# Altium PCB Stratochovy2.PcbDoc (part 1 of 2)
Units mil, origin at the board's own origin, x right, y up, seen from the top; angles counter-clockwise.
Board outline 2610.12 x 7159.65 mil, 4 copper layers (Top Layer, Plane (GND), Plane (3V3), Bottom Layer), stack 53.956 mil thick; 166 components, 126 nets, 742 pads, 170 vias.
Unrouted connection lines stored in the file: 44.
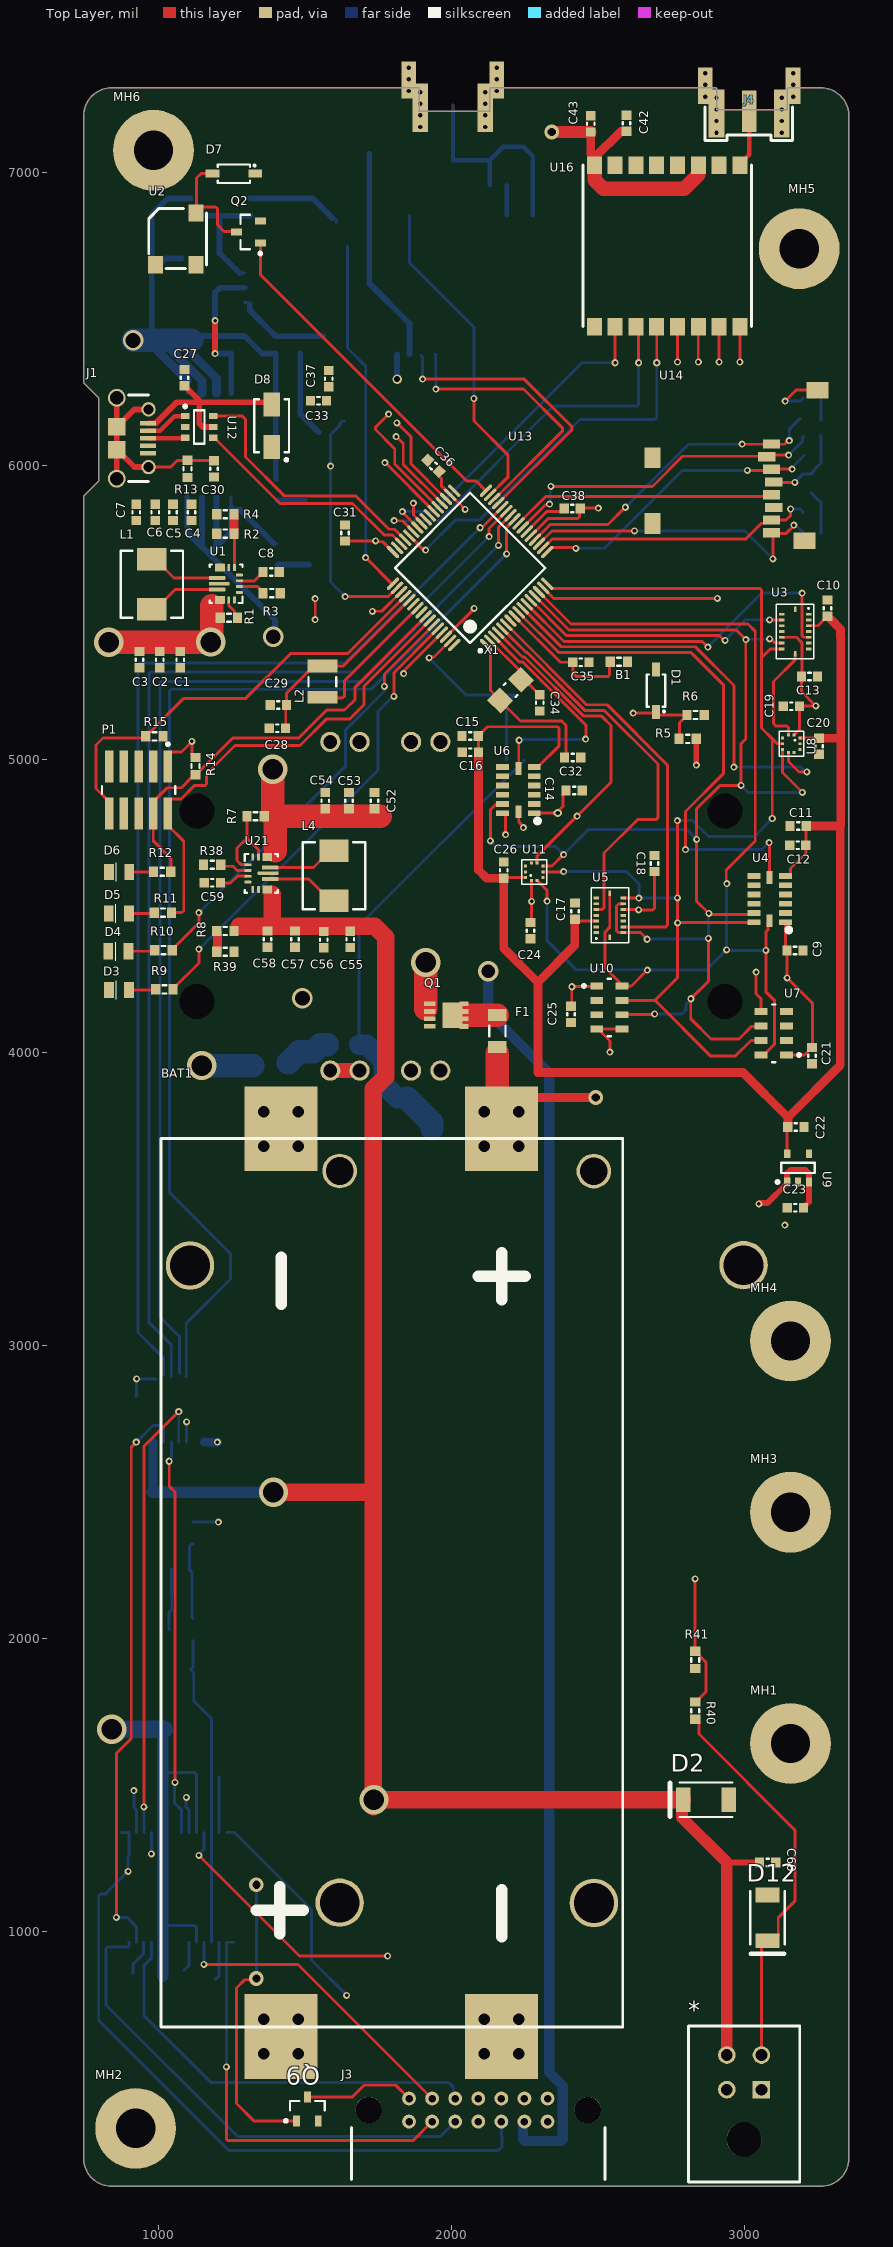
[diagram p0: Top Layer view]
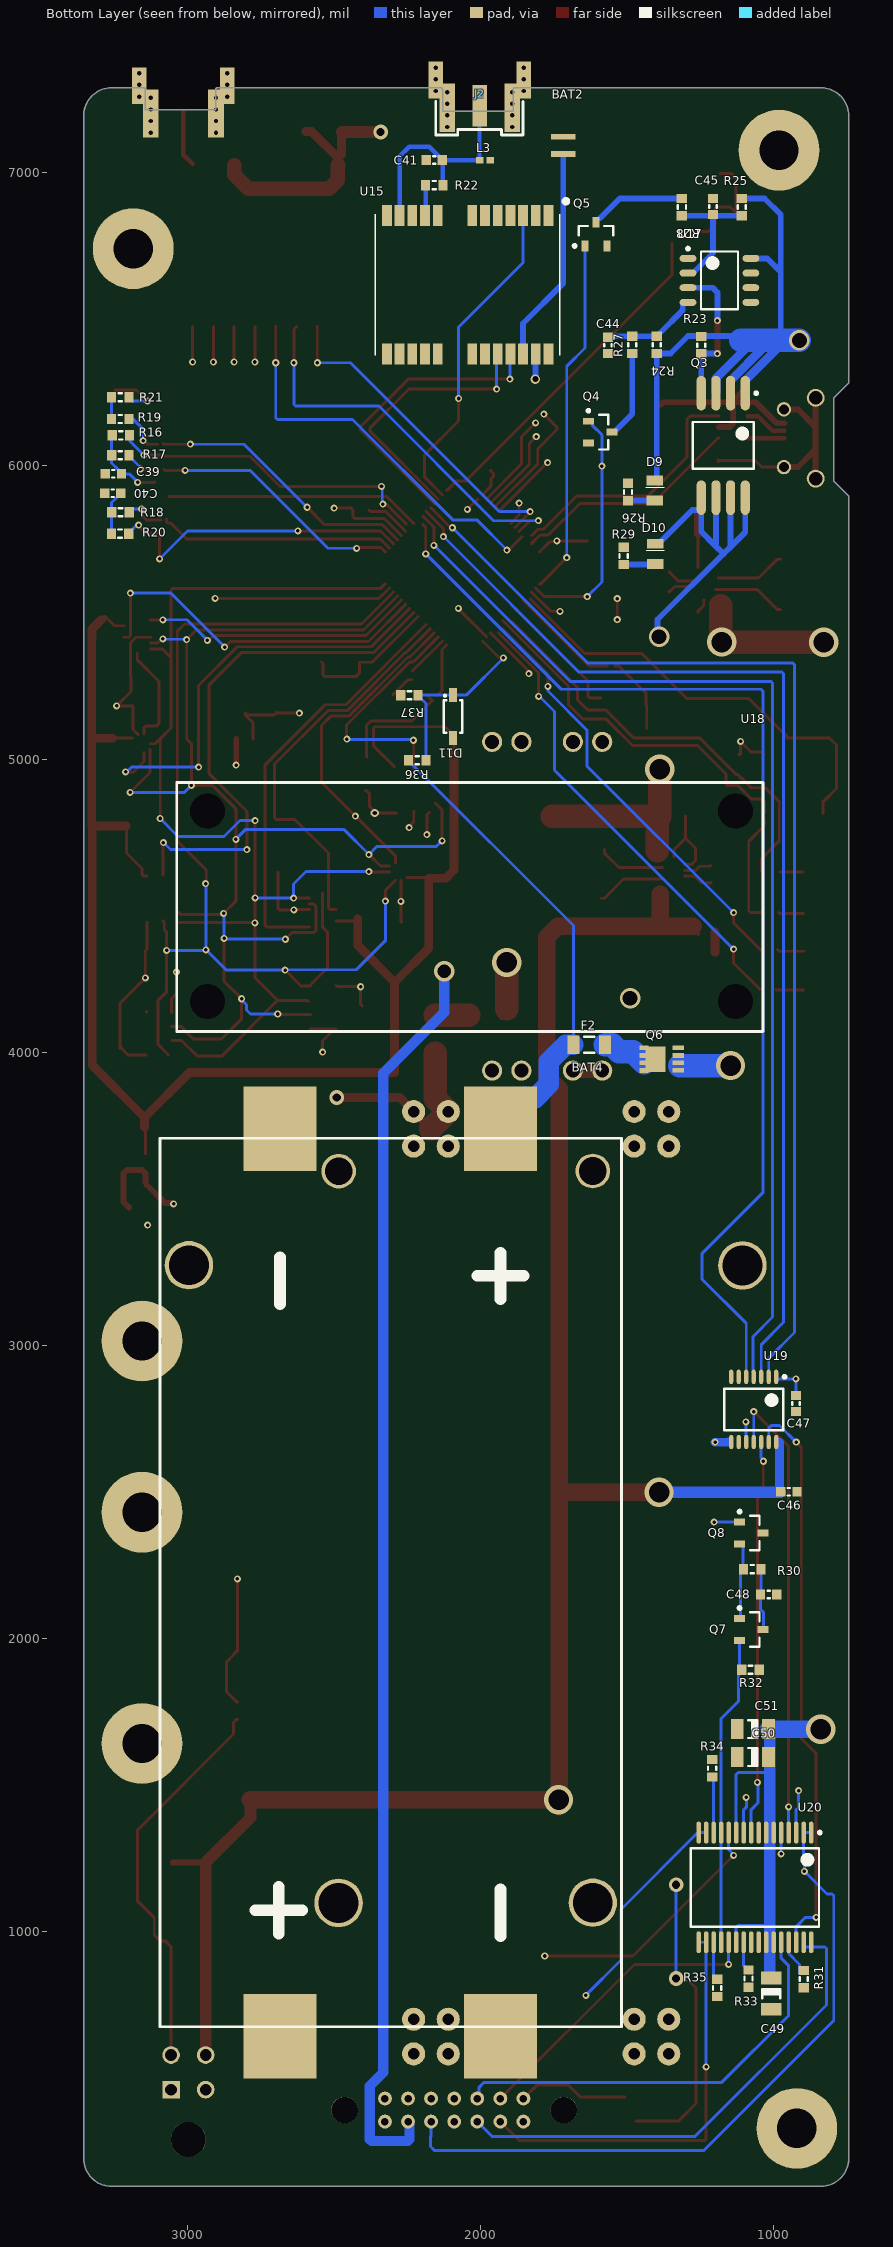
[diagram p1: Bottom Layer view, seen from below]
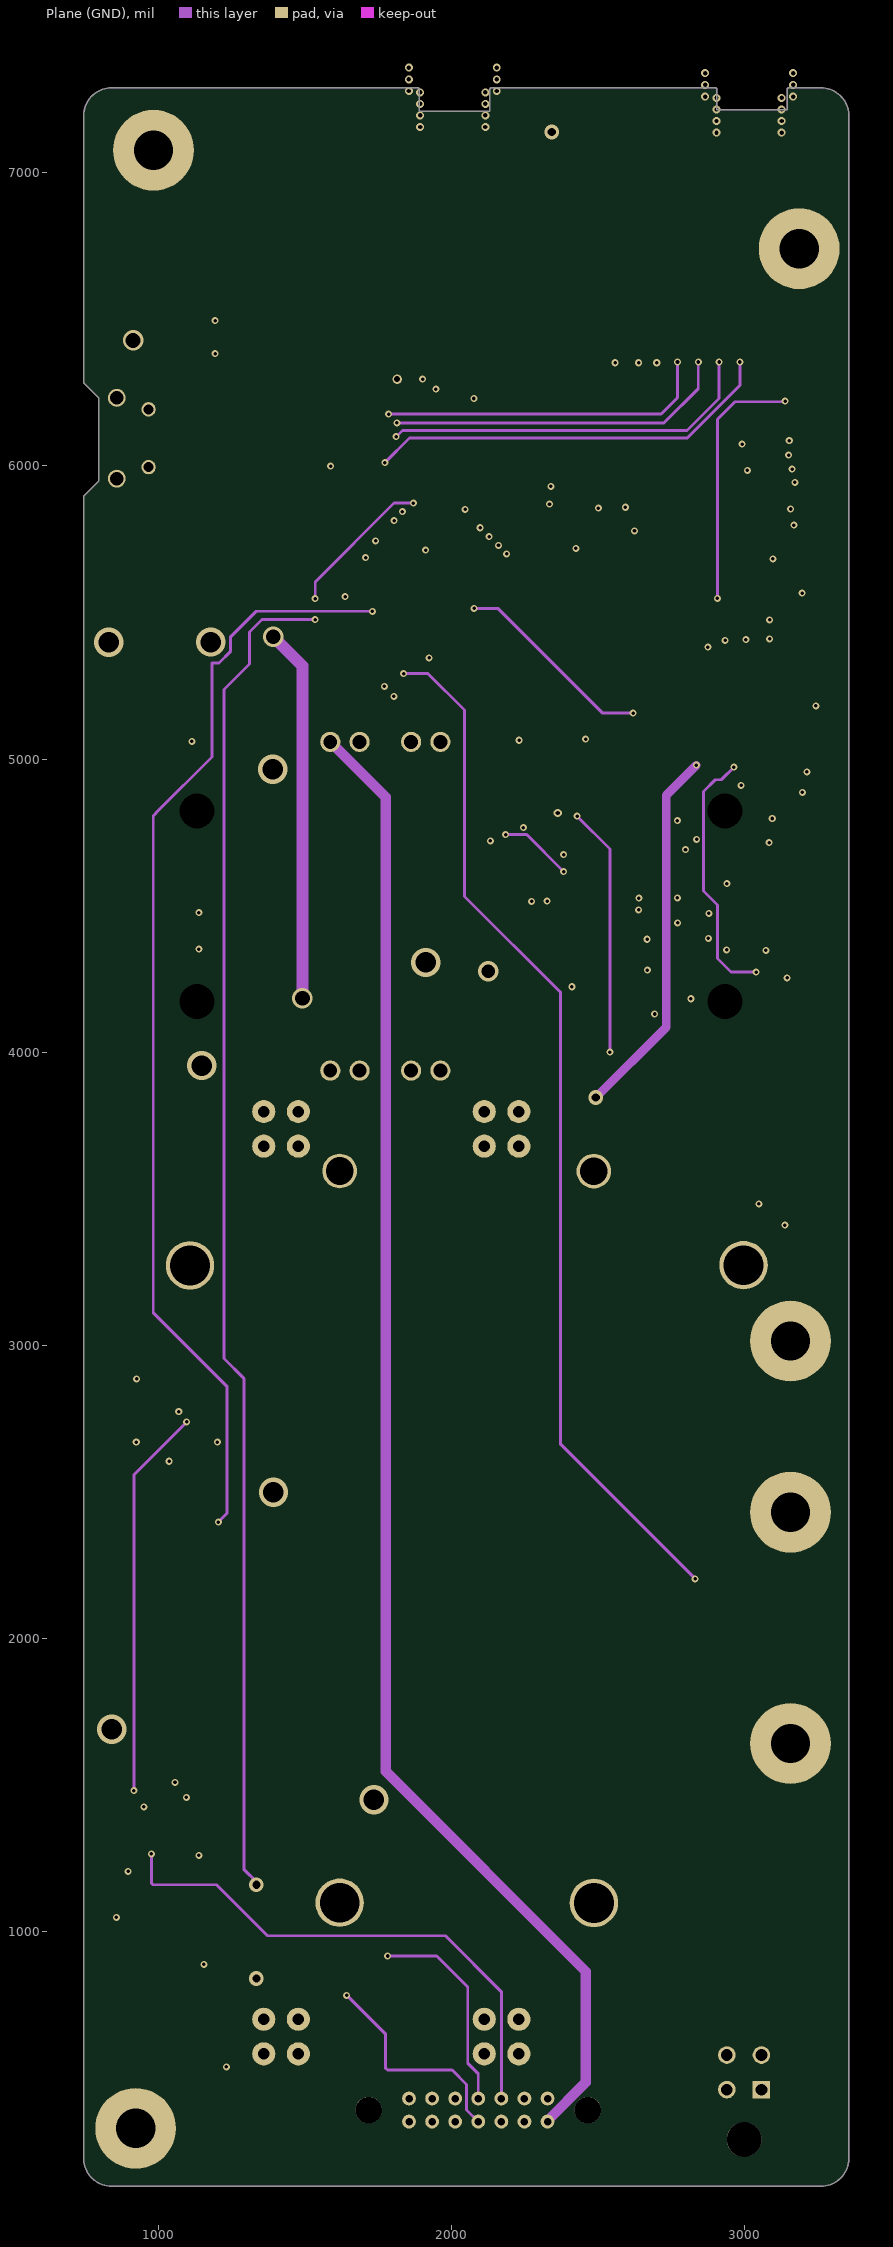
[diagram p2: Plane (GND)]
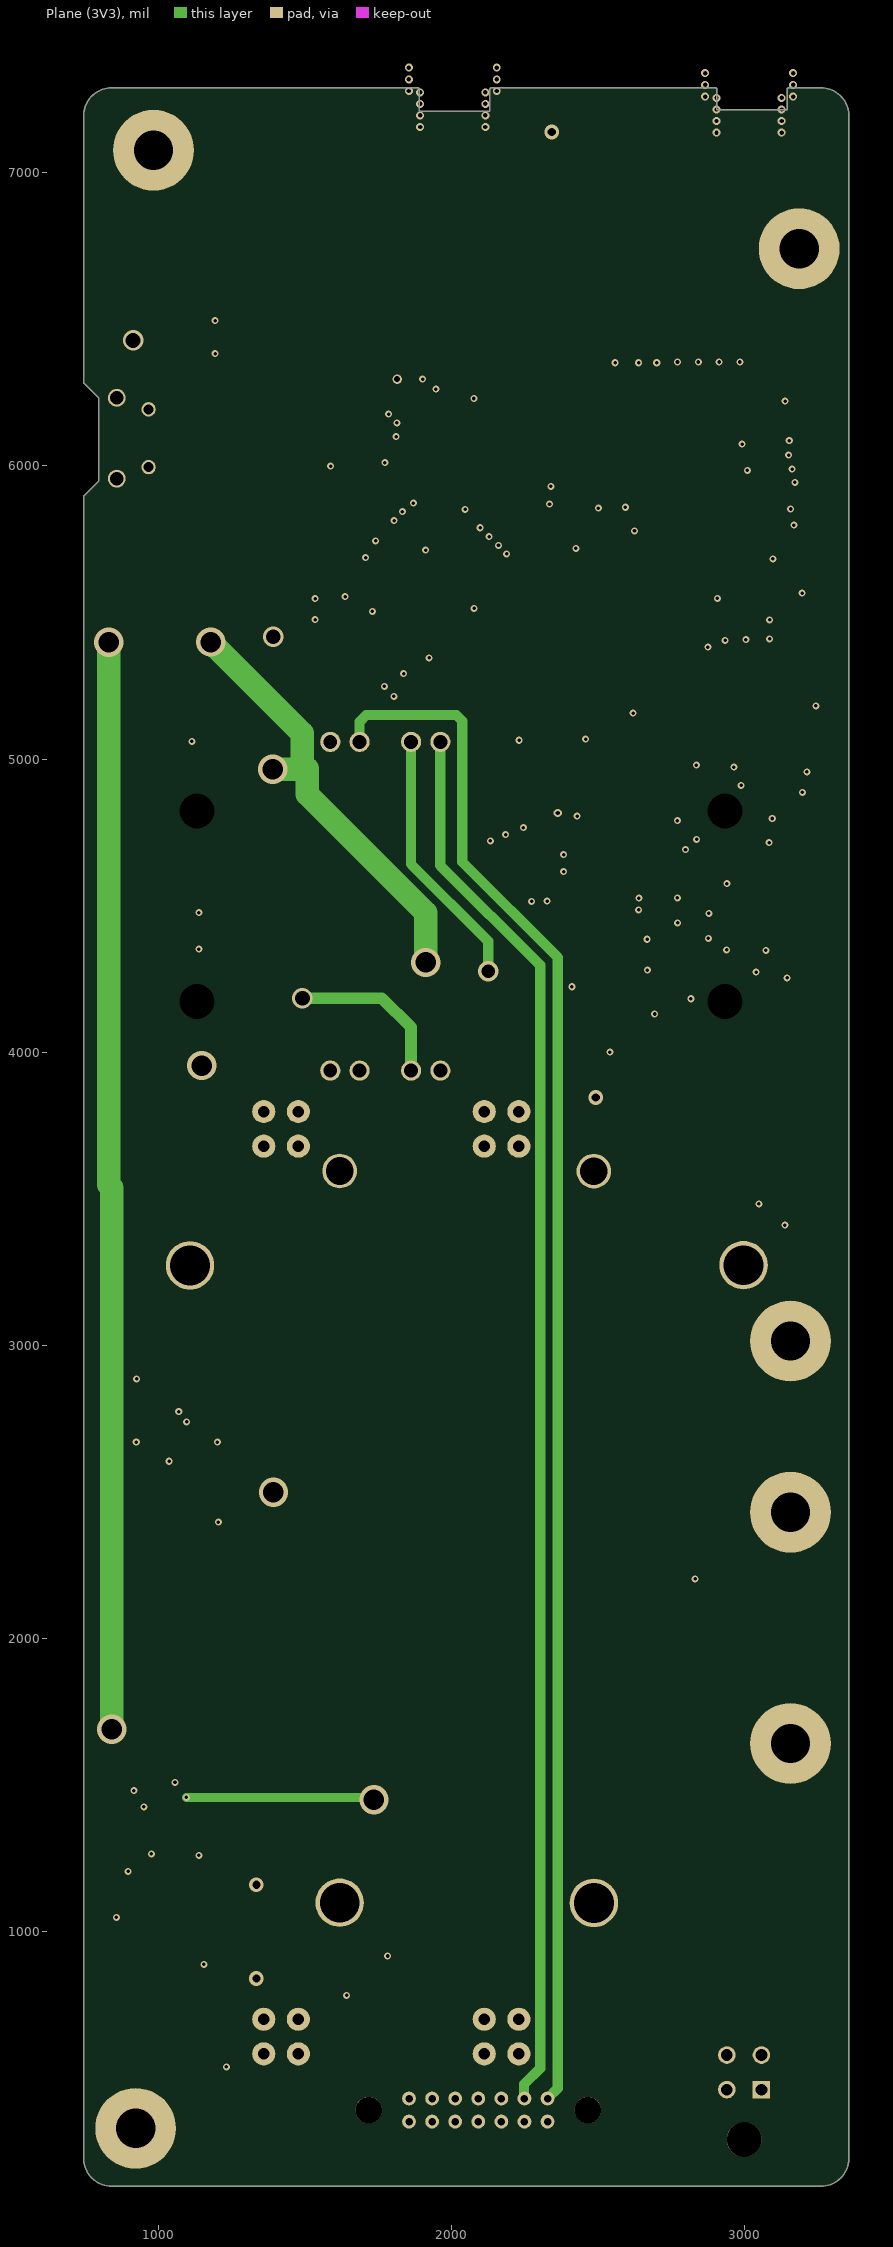
[diagram p3: Plane (3V3)]

## Layer stack, top to bottom
Top Solder: solder mask 0.4, Solder Resist, Dk 3.5
Top Layer: signal copper 1.4
Dielectric 1: prepreg 5.1, PP-017, Dk 4.3
Dielectric2: prepreg 5.1, PP-017, Dk 4.3
Plane (GND): signal copper 1.378
Dielectric3: core 28, Core-039, Dk 4.8
Plane (3V3): signal copper 1.378
Dielectric4: prepreg 5.1, PP-017, Dk 4.3
Dielectric5: prepreg 5.1, PP-017, Dk 4.3
Bottom Layer: signal copper 1.4
Bottom Solder: solder mask 0.4, Solder Resist, Dk 3.5

## Board outline
744.85,222.98 744.85,5895.22 cw(c749.86,5895.22) 746.33,5898.79 796.03,5948.48 796.03,6231.73 746.33,6281.42 cw(c749.86,6284.99) 744.85,6284.99 744.85,7194.44 cw(c749.86,7194.44) 744.85,7194.72 cw(c749.82,7194.99) 744.85,7194.99 cw(c839.86,7194.99) 839.86,7290 cw(c839.86,7284.99) 840.14,7289.99 cw(c840.41,7284.95) 840.41,7290 1884.9,7290 cw(c1884.9,7284.99) 1889.91,7285 cw(c1888.66,7284.99) 1889.91,7284.99 1889.91,7285 cw(c1884.92,7284.63) 1889.93,7284.63 1889.93,7210.85 2130.88,7210.85 2130.88,7284.73 cw(c2135.89,7285) 2135.89,7290.02 2899.89,7290.02 cw(c2899.89,7285) 2904.91,7285 cw(c2900,7285) 2904.9,7284.7 cw(c2899.96,7283.84) 2904.97,7283.84 2904.97,7214.85 3144.94,7214.85 3144.94,7284.84 cw(c3149.96,7284.84) 3149.96,7289.85 3259.96,7289.85 cw(c3259.96,7194.84) 3354.89,7198.73 cw(c3349.95,7197.84) 3354.97,7197.84 3354.97,224.84 cw(c3349.96,224.84) 3354.97,224.68 ccw(c3260.22,225.38) 3354.97,225.38 3354.97,224.68 cw(c3259.96,225.38) 3259.96,130.37 cw(c3259.96,135.38) 3259.23,130.42 cw(c3258.5,135.38) 3258.5,130.37 840.41,130.37 cw(c840.41,135.38) 840.14,130.37 cw(c839.86,135.34) 839.86,130.37 cw(c839.86,225.38) 744.9,222.27 cw(c749.85,222.98)

## Design rules (kind name [scope] priority, off if disabled: settings)
Clearance "Schematic Clearance Constraint_1" [InNet('NetJ2_S1')] p1: gap=0 ignorepadtopadclearanceinfootprint=FALSE except(25: SMDPad-Fill SMDPad-Poly SMDPad-Region; 30: Arc-Fill Arc-Poly Arc-Region Track-Fill Track-Poly Track-Region THPad-Fill THPad-Poly THPad-Region Via-Fill Via-Poly Via-Region Fill-Fill Fill-Poly Fill-Region Poly-Poly Poly-Region Region-Region)
Clearance "Schematic Clearance Constraint" [InNet('ANT')] p2: gap=0 ignorepadtopadclearanceinfootprint=FALSE except(25: SMDPad-Fill SMDPad-Poly SMDPad-Region; 30: Arc-Fill Arc-Poly Arc-Region Track-Fill Track-Poly Track-Region THPad-Fill THPad-Poly THPad-Region Via-Fill Via-Poly Via-Region Fill-Fill Fill-Poly Fill-Region Poly-Poly Poly-Region Region-Region)
Clearance [All] p3: gap=6 ignorepadtopadclearanceinfootprint=FALSE except(8: Arc-Hole Track-Hole SMDPad-Hole THPad-Hole Via-Hole Fill-Hole Poly-Hole Region-Hole)
DiffPairsRouting [All] p1: maxlimit=10 minlimit=10 mostfreqgap=10 toplayer_minwidth=15 toplayer_maxwidth=15 toplayer_prefwidth=15 midlayer1_minwidth=15 midlayer1_maxwidth=15 midlayer1_prefwidth=15 midlayer2_minwidth=15 midlayer2_maxwidth=15 midlayer2_prefwidth=15 bottomlayer_minwidth=15 bottomlayer_maxwidth=15 bottomlayer_prefwidth=15 maxuncoupledlength=500
PolygonConnect [All] p1: connectstyle=Relief reliefconductorwidth=10 reliefentries=4 polygonreliefangle="90 Angle" airgapwidth=10
RoutingVias [All] p1: holewidth=28 width=50 viastyle="Through Hole" minholewidth=28 minwidth=50 maxholewidth=28 maxwidth=50
SolderMaskExpansion [All] p1: expansion=4 istentingtop=FALSE
Width [All] p1: maxlimit=10 minlimit=10 preferedwidth=10
29 further rules are at their usual default settings.

## Classes and differential pairs
component class U_Radio: C42 C43 J4 U16
component class StratoChovy: D8 J3 MH1 MH2 MH3 MH4 MH5 MH6 Q9
component class "Squib Driver": C48 C49 C50 C51 Q7 Q8 R30 R31 R32 R33 R34 R35 U20
component class Sensors: * C9 C10 C11 C12 C13 C14 C15 C16 C17 C18 C19 C20 C21 C22 C23 C24 C25 C26 C60 D2 D12 R40 R41 U3 U4 U5 U6 U7 U8 U9 U10 U11
component class SD: C39 C40 R16 R17 R18 R19 R20 R21 U14
component class SAMD51: B1 C27 C28 C29 C30 C31 C32 C33 C34 C35 C36 C37 C38 J1 L2 P1 R13 R14 R15 U12 U13 X1
component class LevelShifter: C46 C47 U19
component class GPS: BAT2 C41 J2 L3 R22 U15
component class COTS_Altimeter: BAT4 C44 C45 D9 D10 D11 F2 Q3 Q4 Q5 Q6 R23 R24 R25 R26 R27 R28 R29 R36 R37 U17 U18
differential pair USB: +USB_P -USB_N
differential pair USB_CON: +USB_CON_P -USB_CON_N

## Components (designator, comment, footprint, x,y, rotation, side; value= is the part's Value field where it differs from the comment)
* "MOLEX_2x2_0430450400" MOLEX_2x2_0430450400 2938.89,578.11 r0 top
B1 "FB_1608" R0603 2571,5332 r180 top
BAT1 "BATT_Clip_Li-Ion_2x" BATT_18650_KEYSTONE_1048#1 1796.4,2189.63 r90 top
BAT2 "BAT_MS621FE" BATT_COINCELL_RECHARGEABLE 1719,7063.94 r0 bottom
BAT4 "BATT_Clip_Li-Ion_2x" BATT_18650_KEYSTONE_1048#2 2307.02,2190.32 r90 bottom
C1 "490-13248-1-ND" C0603 1073.89,5339 r270 top
C2 "490-13248-1-ND" C0603 1004,5339 r270 top
C3 "490-13248-1-ND" C0603 935,5339 r270 top
C4 "490-13248-1-ND" C0603 1113,5841.44 r90 top
C5 "1276-7076-1-ND" C0603 1049,5841.44 r90 top
C6 "1276-7076-1-ND" C0603 989,5841.44 r90 top
C7 "1276-7076-1-ND" C0603 924,5841.44 r90 top
C8 "490-1519-1-ND" C0603 1384,5638 r0 top
C9 "490-1519-1-ND" C0603 3171.44,4347 r0 top
C10 "490-1519-1-ND" C0603 3283,5514.56 r90 top
C11 "490-1519-1-ND" C0603 3182.44,4771 r0 top
C12 "490-13248-1-ND" C0603 3181,4706 r180 top
C13 "490-1519-1-ND" C0603 3221,5282 r0 top
C14 "490-1519-1-ND" C0603 2418,4893 r0 top
C15 "490-1519-1-ND" C0603 2063,5078 r0 top
C16 "490-13248-1-ND" C0603 2064,5023 r180 top
C17 "490-1519-1-ND" C0603 2421,4481 r90 top
C18 "490-1519-1-ND" C0603 2692,4643.56 r90 top
C19 "490-1519-1-ND" C0603 3159,5180 r180 top
C20 "490-1519-1-ND" C0603 3253,5043.44 r270 top
C21 "490-1519-1-ND" C0603 3230,3988 r270 top
C22 "490-13248-1-ND" C0603 3174.56,3744 r0 top
C23 "490-1519-1-ND" C0603 3173,3469 r180 top
C24 "490-1519-1-ND" C0603 2269,4414.44 r270 top
C25 "490-1519-1-ND" C0603 2407,4129 r270 top
C26 "490-1519-1-ND" C0603 2178,4621 r90 top
C27 "490-1519-1-ND" C0603 1089,6301 r90 top
C28 "311-1785-1-ND" C0603 1405.56,5105 r0 top
C29 "490-1519-1-ND" C0603 1409,5184 r180 top
C30 "490-1506-1-ND" C0603 1189,5990 r90 top
C31 "490-1519-1-ND" C0603 1636,5771 r270 top
C32 "490-1411-1-ND" C0603 2413,5005 r180 top
C33 "490-1519-1-ND" C0603 1546,6222 r180 top
C34 "490-1411-1-ND" C0603 2301,5191.44 r90 top
C35 "490-1519-1-ND" C0603 2441,5330 r180 top
C36 "490-1519-1-ND" C0603 1938,6000 r315 top
C37 "490-13248-1-ND" C0603 1581,6298 r270 top
C38 "490-1519-1-ND" C0603 2411.56,5855 r180 top
C39 "490-13248-1-ND" C0603 3254,5973 r180 bottom
C40 "490-1519-1-ND" C0603 3256,5907 r0 bottom
C41 "490-1512-1-ND" C0603 2159,7043.33 r180 bottom
C42 "490-13248-1-ND" C0603 2597,7169 r90 top
C43 "490-13248-1-ND" C0603 2475,7167 r90 top
C44 "490-13248-1-ND" C0603 1566,6411.03 r270 bottom
C45 "490-13248-1-ND" C0603 1208,6884.97 r90 bottom
C46 "CAP_CER_100NF_100V" C0603 949,2500 r180 bottom
C47 "CAP_CER_100NF_100V" C0603 925,2801 r270 bottom
C48 "CAP_CER_100NF_100V" C0603 1018,2149 r180 bottom
C49 "CAP_TANT_33UF" C1206P 1009,787.91 r270 bottom
C50 "CAP_TANT_33UF" C1206P 1072,1595 r0 bottom
C51 "CAP_TANT_33UF" C1206P 1072,1690 r0 bottom
C52 "490-13248-1-ND" C0603 1737.2,4858 r90 top
C53 "490-13248-1-ND" C0603 1650.2,4858 r90 top
C54 "490-13248-1-ND" C0603 1569.2,4858 r90 top
C55 "490-13248-1-ND" C0603 1654,4384.56 r270 top
C56 "1276-7076-1-ND" C0603 1564,4383.56 r270 top
C57 "1276-7076-1-ND" C0603 1466,4385.56 r270 top
C58 "1276-7076-1-ND" C0603 1372,4385.56 r270 top
C59 "490-1519-1-ND" C0603 1183.67,4578 r180 top
C60 "490-1519-1-ND" C0603 3078,1235.39 r0 top
D1 "SCHOTTKY_MBR0520L" SOD123 2697,5233 r270 top
D2 "SMAJ5.0A" BOUR-SMA-2_V 2868,1449 r180 top
D3 "LED_LY971" 0805_Diode 875,4212 r0 top
D4 "LED_LY971" 0805_Diode 873,4344 r0 top
D5 "LED_LY971" 0805_Diode 874.55,4473 r0 top
D6 "LED_LY971" 0805_Diode 876,4615 r0 top
D7 "Symbol" SOD123 1257,6997 r0 top
D8 "Diode_CD214A-B1100LF" SMA 1386,6137 r270 top
D9 "LED_LY971" 0805_Diode 1406.55,5906 r270 bottom
D10 "LED_LY974" 0805_Diode 1405,5690 r270 bottom
D11 "SCHOTTKY_MBR0520L" SOD123 2095,5145 r90 bottom
D12 "SMAJ5.0A" BOUR-SMA-2_V 3078,1046 r270 top
F1 "__template_fuse" R1206 2156,4072 r90 top
F2 "__template_fuse" R1206 1630,4025 r180 bottom
J1 "CONN_USB_MICROB_SMD_TH_R/A" CONN_USBMICROB_10118194-0001LF 857.7,6094.41 r270 top
J2 "SMA-J-P-X-ST-EM2" SMA-J-P-X-ST-EM1 2004,7304 r180 bottom
J3 "HARWIN_MALE_RIGHT-ANGLE_M80-5401442" HARWIN_M80-5401442 2091,390.37 r0 top
J4 "SMA-J-P-X-ST-EM2" SMA-J-P-X-ST-EM1 3015,7285 r0 top
L1 "Symbol" SMD5230 977,5596 r90 top
L2 "Symbol" C1210 1559,5264 r270 top
L3 "490-15373-1-ND" R0402 1985.94,7043.33 r0 bottom
L4 "IND_IHLP2020CZER1R5M11" SMD5230 1598.67,4602 r270 top
MH1 "SCREW" SCREW_M3 3156,1641 r0 top
MH2 "SCREW" SCREW_M3 922,328 r0 top
MH3 "SCREW" SCREW_M3 3156,2430 r0 top
MH4 "SCREW" SCREW_M3 3156,3014 r0 top
MH5 "SCREW" SCREW_M3 3186,6741 r0 top
MH6 "SCREW" SCREW_M3 983,7077 r0 top
P1 "FTSH-105-01-F-DV-K" SMTC-FTSH-105-01-L-DV-K_V 932,4894 r180 top
Q1 "SI7615" POWERPAK_1212-8_SINGLE 1969,4126.13 r0 top
Q2 "Symbol" 3SOT23 1307,6798 r180 top
Q3 "PFET_SI4435DY" 8SOIC300 1173,6070 r270 bottom
Q4 "NFET_IRFML8244TRPBF" 3SOT23 1593,6115 r180 bottom
Q5 "NFET_IRFML8244TRPBF" 3SOT23 1607,6791 r90 bottom
Q6 "SI7615" POWERPAK_1212-8_SINGLE 1370,3976 r0 bottom
Q7 "PFET_Si2305DS" 3SOT23 1077,2030 r180 bottom
Q8 "NFET_IRFML8244TRPBF" 3SOT23 1077,2359 r180 bottom
Q9 "NFET_IRFML8244TRPBF" 3SOT23 1507.68,394 r90 top
R1 "311-10.0KHRCT-ND" R0603 1240.35,5481.83 r180 top
R2 "311-470KHRCT-ND" R0603 1228,5769 r180 top
R3 "311-100KHRCT-ND" R0603 1385.97,5566 r0 top
R4 "311-150KHRCT-ND" R0603 1228,5835 r180 top
R5 "311-20.0KHRCT-ND" R0603 2805.3,5068.52 r0 top
R6 "311-10.0KHRCT-ND" R0603 2832.3,5150.32 r180 top
R7 "311-10.0KHRCT-ND" R0603 1331,4805 r0 top
R8 "311-680KHRCT-ND" R0603 1228,4413 r0 top
R9 "311-100HRCT-ND" R0603 1020,4214 r180 top
R10 "311-100HRCT-ND" R0603 1017,4348 r180 top
R11 "311-100HRCT-ND" R0603 1015,4476 r180 top
R12 "311-100HRCT-ND" R0603 1012.53,4615 r180 top
R13 "311-1.00MHRCT-ND" R0603 1099,5990 r270 top
R14 "311-1.00KHRCT-ND" R0603 1126,4976 r90 top
R15 "311-10.0KHRCT-ND" R0603 986,5077 r0 top
R16 "311-100KHRCT-ND" R0603 3228.47,6104 r180 bottom
R17 "311-10.0KHRCT-ND" R0603 3230,6036 r180 bottom
R18 "311-100KHRCT-ND" R0603 3229.47,5842 r180 bottom
R19 "311-100KHRCT-ND" R0603 3230.47,6160 r180 bottom
R20 "311-100KHRCT-ND" R0603 3231,5769 r180 bottom
R21 "311-10.0KHRCT-ND" R0603 3230.47,6234 r180 bottom
R22 "311-10.0HRCT-ND" R0603 2159,6958 r180 bottom
R23 "311-10.0KHRCT-ND" R0603 1248,6412 r90 bottom
R24 "311-10.0KHRCT-ND" R0603 1400,6413 r270 bottom
R25 "311-10.0KHRCT-ND" R0603 1110,6883 r90 bottom
R26 "311-330HRCT-ND" R0603 1498,5911 r270 bottom
R27 "311-1.00KHRCT-ND" R0603 1483.49,6413 r90 bottom
R28 "311-1.00KHRCT-ND" R0603 1314,6883 r270 bottom
R29 "311-330HRCT-ND" R0603 1513,5693 r270 bottom
R30 "311-10.0KHRCT-ND" R0603 1074,2236 r180 bottom
R31 "311-10.0KHRCT-ND" R0603 898.66,837.12 r270 bottom
R32 "311-10.0KHRCT-ND" R0603 1080,1893 r0 bottom
R33 "311-10.0KHRCT-ND" R0603 1087,839 r270 bottom
R34 "311-10.0KHRCT-ND" R0603 1211,1556.61 r270 bottom
R35 "311-10.0KHRCT-ND" R0603 1194,807 r270 bottom
R36 "311-20.0KHRCT-ND" R0603 2217,4996 r0 bottom
R37 "311-10.0KHRCT-ND" R0603 2243.69,5217.83 r180 bottom
R38 "311-100KHRCT-ND" R0603 1183.2,4639 r180 top
R39 "311-130KHRCT-ND" R0603 1228,4342 r0 top
R40 "311-10.0KHRCT-ND" R0603 2831,1753 r270 top
R41 "311-20.0KHRCT-ND" R0603 2831,1926 r90 top
U1 "TPS63070RNM" TPS63070 1295,5513.31 r90 top
U2 "BUZ_SMT-0540-T-7-R" BUZ_SMT-0540-T-7-R 1128,6863.17 r180 top
U3 "IMU_BMI088" BMI088 3231.39,5346.42 r90 top
U4 "ADXL375BCCZ" LGA_CC-14-1 3085.03,4521.76 r180 top
U5 "IMU_BMI088" BMI088 2480.61,4555.27 r270 top
U6 "ADXL375BCCZ" LGA_CC-14-1 2227.97,4893.76 r180 top
U7 "MS561101BA03-50" MSI-MS561101BA03-50-8_V 3099,4064 r180 top
U8 "BMP388" "8 pin LGA" 3159,5052 r0 top
U9 "LDO_TLV70033QDDCRQ1" 5SOT23 3182,3605 r90 top
U10 "MS561101BA03-50" MSI-MS561101BA03-50-8_V 2538,4152 r0 top
U11 "BMP388" "8 pin LGA" 2282,4615 r180 top
U12 "USBLC6-2" 6SOT23 1139,6133 r0 top
U13 "SAME51J20A-A" "SAMD TQFP-64" 2063,5652 r135 top
U14 "MICRO_SD_CARD_HOLDER" MICROSD_CARD_SOCKET 3240.73,5722.95 r270 top
U15 "NEO-M8Q" NEO_M8 2050,6618 r90 bottom
U16 "DRF1268T" DRF1268T 2983.33,7026.18 r270 top
U17 "TIM_TLC555CDR" 8SOIC390 1186,6633 r180 bottom
U18 "STRATOLOGGERCF_ALTIMETER" STRATOLOGGER_ALTIMETER 1131.59,4822.29 r270 bottom
U19 "LVLSHFT_TXB0104PWR" 14TSSOP65 1069,2781 r270 bottom
U20 "SQUIB_MC33797" SOT1762-1 1065,1150 r270 bottom
U21 "TPS63070RNM" TPS63070 1285.78,4694.69 r270 top
X1 "Symbol" XTAL_TXC_9HT10 2201,5235 r225 top
